# Altium PCB EMDO601_Patch.PcbDoc (part 3 of 3)
Units mm, origin at the board's own origin, x right, y up, seen from the top; angles counter-clockwise.
Board outline 80 x 180 mm, 4 copper layers (Top Layer, Mid-Layer 1, Mid-Layer 2, Bottom Layer), stack 1.426 mm thick; 219 components, 105 nets, 717 pads, 2037 vias.
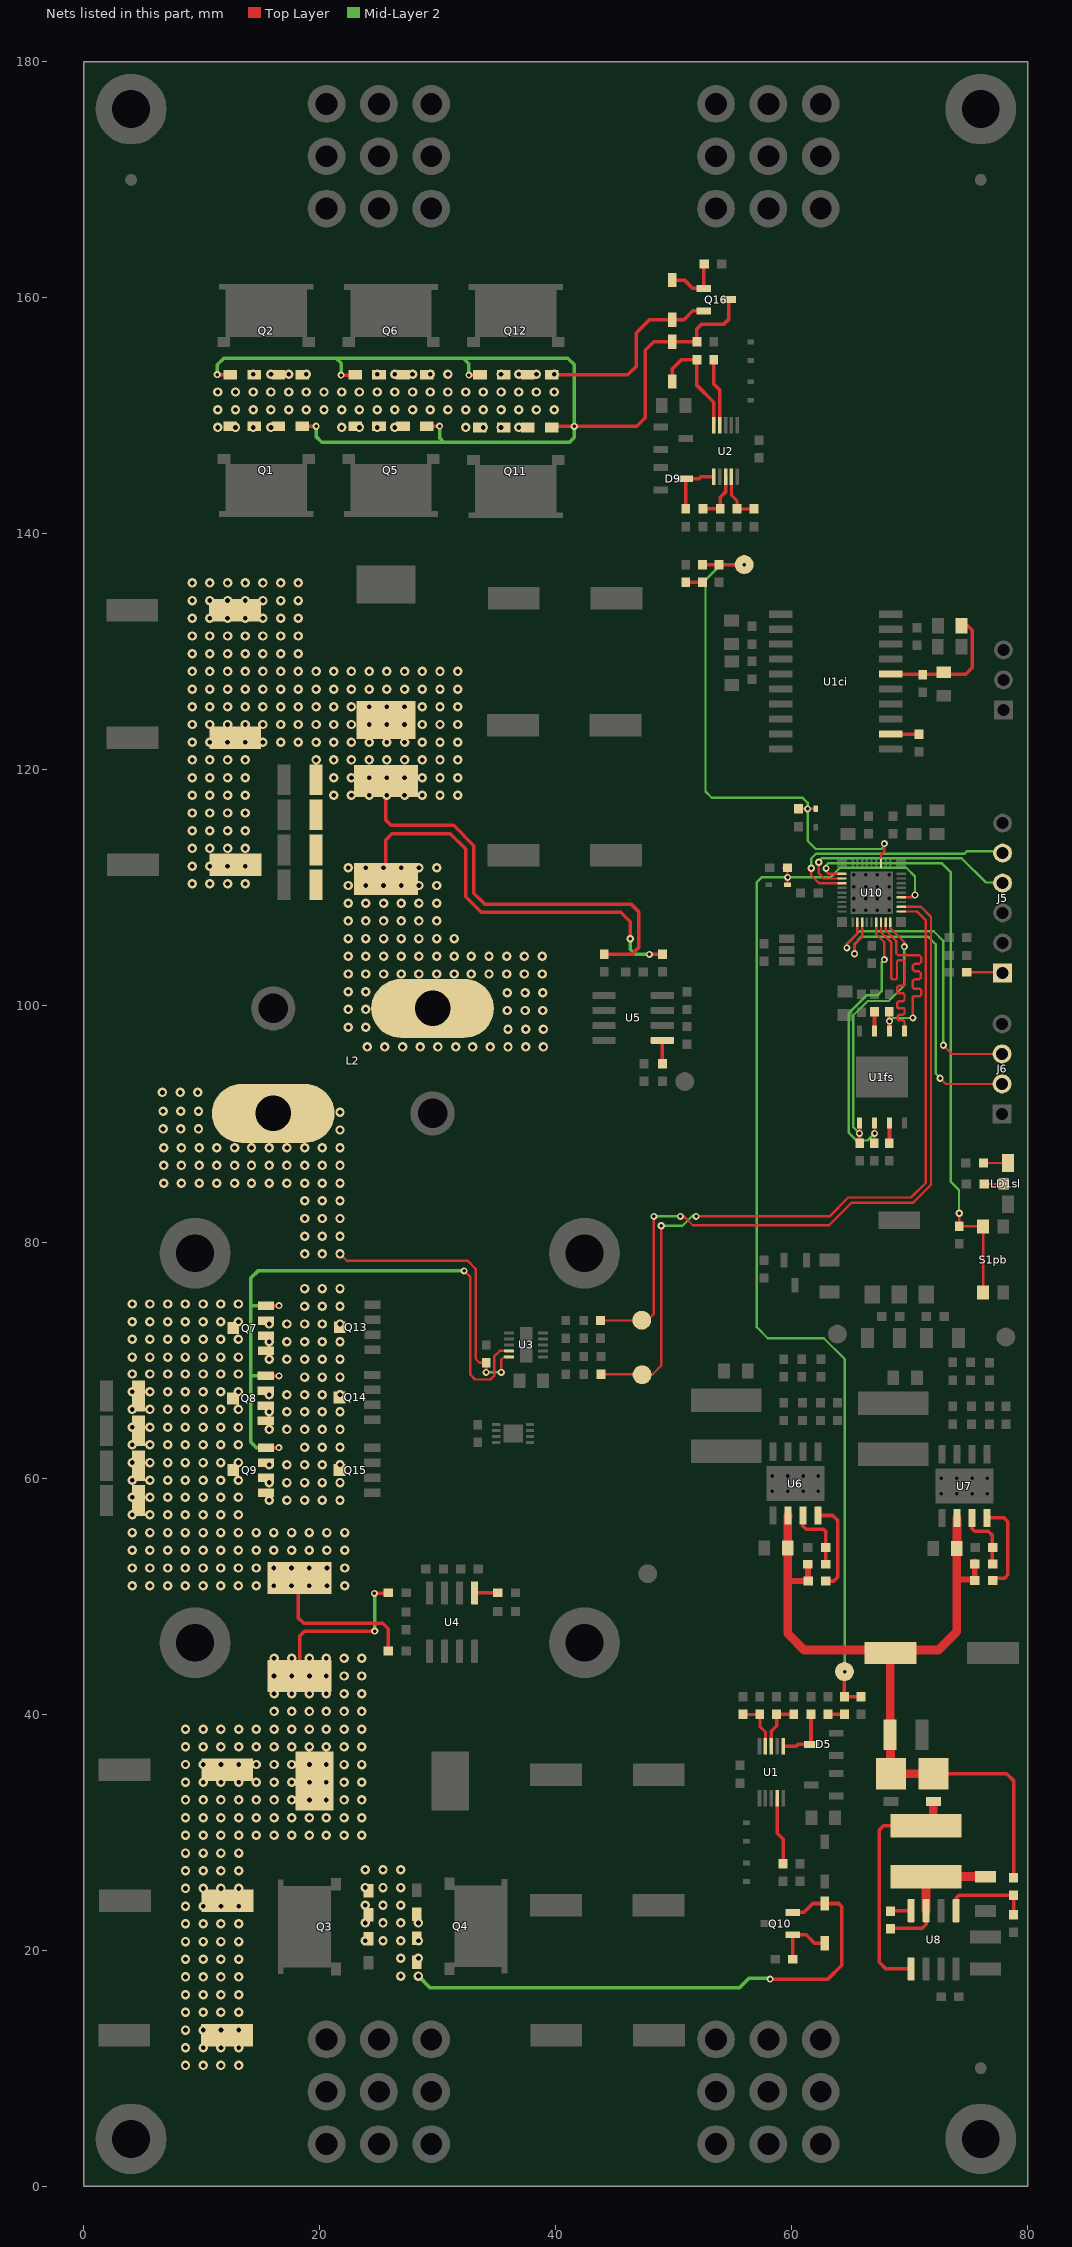
[diagram p5: the nets of this part, all layers, seen from the top]

## Via types
v1: diameter 0.8, hole 0.4, Top Layer to Bottom Layer, tented both sides, 1858 vias
v2: diameter 0.6, hole 0.3, Top Layer to Bottom Layer, tented both sides, 179 vias

## Nets (pads, with @x,y where several pads share a name; then routed paths per layer and width w, separated by ;. In a path a pad name is that pad's centre, name@x,y a point inside that pad or via, vN(x,y) a via of type N, cw(c..) or ccw(c..) an arc to the next point about the centre after c; other vN are vias at no path point) (continued)
NetD4_A: D4.A Q3.S Q4.S Q10.2 | length 46.6
  Top Layer w0.3: v2(58.15,17.55) 63.05,17.55 64.225,18.725 64.225,23.675 63.95,23.95 D4.A@62.775,23.95 61.775,23.95 61.025,23.2 Q10.2@60.085,23.2
  Mid-Layer 2 w0.3: v1(28.35,17.8) 29.325,16.825 55.55,16.825 56.325,17.6 58.1,17.6 v2(58.15,17.55)
  other v1: 26.85,17.8 26.85,19.3 28.35,19.3 23.85,20.8 25.35,20.8 26.85,20.8 28.35,20.8 23.85,22.3 25.35,22.3 26.85,22.3 28.35,22.3 23.85,23.8 25.35,23.8 26.85,23.8 23.85,25.3 25.35,25.3 26.85,25.3 23.85,26.8 25.35,26.8 26.85,26.8
NetD4_C: D4.C Q10.1 R13.2 | length 5.1
  Top Layer w0.3: R13.2@60.075,19.225 60.085,19.235 Q10.1@60.085,21.3 61.2,21.3 61.91,20.59 D4.C@62.775,20.59
NetD5_3: D5.3 R2.1 U1.1 | length 5
  Top Layer w0.3: U1.1@59.25,37.275 60.35,37.275 60.5,37.425 D5.3@61.615,37.425 61.615,39.965 R2.1@61.625,39.975
NetD8_A: D8.A Q1.G Q2.G Q5.G Q6.G Q11.G Q12.G Q16.3 R12.1 | length 95.5
  Top Layer w0.3: v2(11.3,153.5) Q2.G@12.41,153.5 ; Q1.G@18.505,149.125 v2(19.675,149.125) ; v2(21.8,153.45) 22.95,153.45 Q6.G@22.98,153.48 ; Q5.G@29.07,149.12 29.082,149.132 v2(30.151,149.132) ; v2(32.625,153.45) 33.54,153.45 Q12.G@33.565,153.475 ; Q11.G@39.645,149.12 v2(41.55,149.12) 46.845,149.12 47.575,149.85 47.575,155.575 48.28,156.28 D8.A@49.85,156.28 49.855,156.275 R12.1@51.95,156.275 51.95,157.375 52.325,157.75 54.2,157.75 54.66,158.21 Q16.3@54.66,159.85
  Mid-Layer 2 w0.3: v2(11.3,153.5) 11.3,154.325 11.875,154.9 21.35,154.9 ; v2(19.675,149.125) 19.675,148.25 20.15,147.775 30.5,147.775 ; v2(21.8,153.45) 21.8,154.45 21.35,154.9 ; v2(30.151,149.132) 30.151,148.124 30.5,147.775 ; v2(32.625,153.45) 32.625,154.425 32.15,154.9 ; 21.35,154.9 32.15,154.9 ; 30.5,147.775 41.15,147.775 41.55,148.175 v2(41.55,149.12) 41.55,154.35 41,154.9 32.15,154.9
NetD8_C: D8.C R12.2 U2.10 | length 9.6
  Top Layer w0.3: D8.C@49.85,152.92 49.85,153.975 50.65,154.775 R12.2@51.95,154.775 51.95,152.575 53.375,151.15 U2.10@53.375,149.225
NetD9_3: D9.3 R8.1 U2.1 | length 5
  Top Layer w0.3: R8.1@51,142.125 51.01,142.135 D9.3@51.01,144.675 52.125,144.675 52.275,144.825 U2.1@53.375,144.825
NetD11_A: D11.A Q1.S Q2.S Q5.S Q6.S Q11.S Q12.S Q16.2 | length 16.9
  Top Layer w0.3: Q12.S@39.655,153.475 46.1,153.475 46.825,154.2 46.825,157.05 47.925,158.15 D11.A@49.85,158.15 50.85,158.15 51.6,158.9 Q16.2@52.54,158.9
  Mid-Layer 2 w0.3: v1@40.05,153.425 v1@40.125,153.5
  other v1: 11.35,149.025 12.85,149.025 14.35,149.025 15.85,149.025 21.85,149.025 23.35,149.025 24.85,149.025 26.35,149.025 32.35,149.025 33.85,149.025 35.35,149.025 36.85,149.025 11.35,150.525 12.85,150.525 14.35,150.525 15.85,150.525 17.35,150.525 18.85,150.525 20.35,150.525 21.85,150.525 23.35,150.525 24.85,150.525 26.35,150.525 27.85,150.525 29.35,150.525 30.85,150.525 32.35,150.525 33.85,150.525 35.35,150.525 36.85,150.525 38.35,150.525 39.85,150.525 11.35,152.025 12.85,152.025 14.35,152.025 15.85,152.025 17.35,152.025 18.85,152.025 20.35,152.025 21.85,152.025 23.35,152.025 24.85,152.025 26.35,152.025 27.85,152.025 29.35,152.025 30.85,152.025 32.35,152.025 33.85,152.025 35.35,152.025 36.85,152.025 38.35,152.025 39.85,152.025 14.35,153.525 15.85,153.525 17.35,153.525 18.85,153.525 24.85,153.525 26.35,153.525 27.85,153.525 29.35,153.525 30.85,153.525 35.35,153.525 36.85,153.525 38.35,153.525 39.85,153.525
NetD11_C: D11.C Q16.1 R18.2 | length 5.1
  Top Layer w0.3: D11.C@49.85,161.51 50.89,161.51 51.6,160.8 Q16.1@52.54,160.8 52.54,162.865 R18.2@52.55,162.875
NetD14_A: D14.A L4.2 U8.1 | length 20.6
  Top Layer w0.3: U8.1@70.095,18.405 67.97,18.405 67.4,18.975 67.4,30.175 67.759,30.534 L4.2@71.35,30.534
  Top Layer w0.75: L4.2@71.35,30.534 71.975,31.159 D14.A@71.975,32.597
NetJ5_1: J5.1 R52.1 | length 2.8
  Top Layer w0.2: R52.1@74.818,102.858 J5.1@77.645,102.858
NetL4_1: L4.1 R39.2 R40.1 U8.7 | length 12.2
  Top Layer w0.3: R40.1@68.35,21.85 71.025,21.85 71.365,22.19 U8.7@71.365,23.345
  Top Layer w0.75: U8.7@71.365,23.345 71.365,26.201 71.394,26.23 R39.2@76.4,26.23
NetLD1sl_2: LD1sl.2 R1sl.2 | length 1.7
  Top Layer w0.2: R1sl.2@76.279,84.916 77.929,84.916 LD1sl.2@77.95,84.937
NetLD1sl_3: LD1sl.3 R2sl.2 | length 2.1
  Top Layer w0.2: R2sl.2@76.229,86.691 78.296,86.691 LD1sl.3@78.3,86.687
NetR1ci_2: R1ci.2 U1ci.12 | length 2.4
  Top Layer w0.3: U1ci.12@68.363,123.035 70.758,123.035 R1ci.2@70.763,123.03
NetR2fs_1: R2fs.1 U1fs.3 | length 1.7
  Top Layer w0.3: R2fs.1@68.25,88.383 68.265,88.398 U1fs.3@68.265,90.083
NetR3_1: R3.1 R14.2 U1.3 | length 4.3
  Top Layer w0.3: U1.3@58.25,37.275 58.25,38.55 58.7,39 R14.2@58.7,39.975 R3.1@60.15,39.975
NetR3fs_1: R3fs.1 U1fs.7 | length 1.6
  Top Layer w0.3: U1fs.7@66.995,97.883 66.995,99.502 R3fs.1@67,99.507
NetR4_1: R4.1 R15.2 U1.4 | length 4.3
  Top Layer w0.254: R15.2@55.85,39.975 R4.1@57.275,39.975 57.275,38.95 57.75,38.475 U1.4@57.75,37.275
NetR5_1: R5.1 U1.9 | length 5.8
  Top Layer w0.3: U1.9@58.75,32.875 58.75,29.9 59.25,29.4 R5.1@59.25,27.325
NetR9_1: R9.1 R16.2 U2.4 | length 4.3
  Top Layer w0.254: U2.4@54.875,144.825 54.875,143.275 55.35,142.8 R9.1@55.35,142.125 R16.2@56.775,142.125
NetR10_1: R10.1 R17.2 U2.3 | length 4.3
  Top Layer w0.3: R10.1@52.475,142.125 R17.2@53.925,142.125 53.925,143.1 54.375,143.55 U2.3@54.375,144.825
NetR11_1: R11.1 U2.9 | length 5.8
  Top Layer w0.3: R11.1@53.375,154.775 53.375,152.7 53.875,152.2 U2.9@53.875,149.225
NetR23_2: R23.2 R25.2 | length 1.4
  Top Layer w0.3: R23.2@63.025,39.975 R25.2@64.45,39.975
NetR24_2: R24.2 R26.2 | length 1.4
  Top Layer w0.3: R24.2@51.006,135.9 R26.2@52.406,135.9
NetR29_1: R29.1 U4.5 | length 2
  Top Layer w0.3: U4.5@33.105,50.27 33.11,50.275 R29.1@35.075,50.275
NetR30_1: R30.1 U5.5 | length 2
  Top Layer w0.3: U5.5@49.02,97.08 49.025,97.075 R30.1@49.025,95.11
NetR35_2: R35.2 R41.1 U6.3 | length 5.8
  Top Layer w0.3: U6.3@60.925,56.825 60.925,55.925 61.2,55.65 62.675,55.65 62.85,55.475 R41.1@62.85,54.125 R35.2@62.85,52.7
NetR36_2: R36.2 U6.4 | length 7.8
  Top Layer w0.3: U6.4@62.195,56.825 63.45,56.825 63.9,56.375 63.9,51.625 63.55,51.275 R36.2@62.875,51.275
NetR37_2: R37.2 R42.1 U7.3 | length 5.1
  Top Layer w0.3: U7.3@75.245,56.62 75.245,55.73 75.48,55.495 76.63,55.495 76.99,55.135 R37.2@76.99,52.914
NetR38_2: R38.2 U7.4 | length 7.8
  Top Layer w0.3: U7.4@76.515,56.62 77.98,56.62 78.3,56.3 78.3,51.8 78.02,51.52 R38.2@76.99,51.52
NetR40_2: R40.2 U8.8 | length 1.7
  Top Layer w0.3: R40.2@68.35,23.35 70.09,23.35 U8.8@70.095,23.345
NetR43_1: R43.1 R48.2 U8.5 | length 7.7
  Top Layer w0.3: U8.5@73.905,23.345 73.905,24.405 74.15,24.65 R43.1@78.775,24.65 ; R48.2@78.775,23 R43.1@78.775,24.65
PGC_RX_SCL: J5.5 U10.21 | length 20.5
  Top Layer w0.2: v2(61.637,111.674) 61.637,111.07 62.3,110.408 U10.21@64.243,110.408
  Mid-Layer 2 w0.2: v2(61.637,111.674) 61.637,112.485 62.06,112.908 74.625,112.908 74.817,113.1 J5.5@77.563,113.1
PGD_TX_SDA: J5.4 U10.20 | length 19.7
  Top Layer w0.2: v2(62.27,112.176) 62.27,111.26 62.722,110.808 U10.20@64.243,110.808
  Mid-Layer 2 w0.2: v2@62.316,112.006 62.27,112.052 v2(62.27,112.176) 62.228,112.218 62.518,112.508 74.392,112.508 76.437,110.463 J5.4@77.66,110.463
PWMH: PWMH.1 R19.1 U10.1 | length 65.9
  Top Layer w0.2: R19.1@43.81,68.8 48.2,68.8 48.925,69.525 v2(48.925,81.375) ; v2(51.875,82.175) 63.175,82.175 64.775,83.775 70.1,83.775 71.35,85.025 71.35,107.25 70.597,108.003 69.248,108.003 U10.1@69.243,108.008
  Mid-Layer 2 w0.2: v2(48.925,81.375) 50.725,81.375 51.575,82.225 51.625,82.175 v2(51.875,82.175)
PWML: PWML.1 R21.1 U10.2 | length 63.8
  Top Layer w0.2: R21.1@43.785,73.35 47.725,73.35 48.3,73.925 v2(48.3,82.175) ; v2(50.55,82.175) 50.85,82.175 51.6,81.425 63.15,81.425 65.065,83.34 70.28,83.34 71.785,84.845 71.785,107.553 70.931,108.407 70.844,108.407 70.839,108.403 70.011,108.403 70.006,108.408 U10.2@69.243,108.408
  Mid-Layer 2 w0.2: v2(48.3,82.175) v2(50.55,82.175)
SNS1N: C1.1 C2.1 C3.1 C4.1 Q7.D Q8.D Q9.D R1.2 R31.1 | length 13.1
  Top Layer w0.3: R1.2@18.15,51.4 18.15,48.175 18.625,47.7 25.325,47.7 25.8,47.225 R31.1@25.8,45.35
  other v1: 4.1,50.879 5.6,50.879 7.1,50.879 8.6,50.879 10.1,50.879 11.6,50.879 13.1,50.879 14.6,50.879 16.1,50.879 17.6,50.879 19.1,50.879 20.6,50.879 22.1,50.879 4.1,52.379 5.6,52.379 7.1,52.379 8.6,52.379 10.1,52.379 11.6,52.379 13.1,52.379 14.6,52.379 16.1,52.379 17.6,52.379 19.1,52.379 20.6,52.379 22.1,52.379 4.1,53.879 5.6,53.879 7.1,53.879 8.6,53.879 10.1,53.879 11.6,53.879 13.1,53.879 14.6,53.879 16.1,53.879 17.6,53.879 19.1,53.879 20.6,53.879 22.1,53.879 4.1,55.379 5.6,55.379 7.1,55.379 8.6,55.379 10.1,55.379 11.6,55.379 13.1,55.379 14.6,55.379 16.1,55.379 17.6,55.379 19.1,55.379 20.6,55.379 22.1,55.379 4.1,56.879 5.6,56.879 7.1,56.879 8.6,56.879 10.1,56.879 11.6,56.879 13.1,56.879 4.1,58.379 5.6,58.379 7.1,58.379 8.6,58.379 10.1,58.379 11.6,58.379 13.1,58.379 4.1,59.815 5.6,59.815 7.1,59.815 8.6,59.815 10.1,59.815 11.6,59.815 13.1,59.815 4.1,61.315 5.6,61.315 7.1,61.315 8.6,61.315 10.1,61.315 11.6,61.315 13.1,61.315 4.1,62.815 5.6,62.815 7.1,62.815 8.6,62.815 10.1,62.815 11.6,62.815 13.1,62.815 4.1,64.315 5.6,64.315 7.1,64.315 8.6,64.315 10.1,64.315 11.6,64.315 13.1,64.315 4.1,65.815 5.6,65.815 7.1,65.815 8.6,65.815 10.1,65.815 11.6,65.815 13.1,65.815 4.1,67.315 5.6,67.315 7.1,67.315 8.6,67.315 10.1,67.315 11.6,67.315 13.1,67.315 4.1,68.815 5.6,68.815 7.1,68.815 8.6,68.815 10.1,68.815 11.6,68.815 13.1,68.815 4.1,70.25 5.6,70.25 7.1,70.25 8.6,70.25 10.1,70.25 11.6,70.25 13.1,70.25 4.1,71.75 5.6,71.75 7.1,71.75 8.6,71.75 10.1,71.75 11.6,71.75 13.1,71.75 4.1,73.25 5.6,73.25 7.1,73.25 8.6,73.25 10.1,73.25 11.6,73.25 13.1,73.25 4.1,74.75 5.6,74.75 7.1,74.75 8.6,74.75 10.1,74.75 11.6,74.75 13.1,74.75
SNS1P: C10.1 C11.1 C12.1 L1.2 R1.1 R27.1 | length 14.2
  Top Layer w0.3: R1.1@18.275,43.225 18.275,46.6 18.7,47.025 v2@24.55,47.025 ; v2(24.625,50.225) 25.75,50.225 R27.1@25.8,50.275
  Mid-Layer 2 w0.3: v2(24.625,50.225) 24.65,50.2 v2(24.65,47.025)
  other v1: 8.615,10.225 10.115,10.225 11.615,10.225 13.115,10.225 8.615,11.725 10.115,11.725 11.615,11.725 13.115,11.725 8.615,13.225 10.115,13.225 11.615,13.225 13.115,13.225 8.615,14.725 10.115,14.725 11.615,14.725 13.115,14.725 8.615,16.225 10.115,16.225 11.615,16.225 13.115,16.225 8.615,17.725 10.115,17.725 11.615,17.725 13.115,17.725 8.615,19.225 10.115,19.225 11.615,19.225 13.115,19.225 8.615,20.725 10.115,20.725 11.615,20.725 13.115,20.725 8.615,22.225 10.115,22.225 11.615,22.225 13.115,22.225 8.615,23.725 10.115,23.725 11.615,23.725 13.115,23.725 8.615,25.225 10.115,25.225 11.615,25.225 13.115,25.225 8.615,26.725 10.115,26.725 11.615,26.725 13.115,26.725 8.615,28.225 10.115,28.225 11.615,28.225 13.115,28.225 8.615,29.725 10.115,29.725 11.615,29.725 13.115,29.725 14.615,29.725 16.115,29.725 17.615,29.725 19.115,29.725 20.55,29.725 22.05,29.725 23.55,29.725 8.615,31.225 10.115,31.225 11.615,31.225 13.115,31.225 14.615,31.225 16.115,31.225 17.615,31.225 19.115,31.225 20.55,31.225 22.05,31.225 23.55,31.225 8.615,32.725 10.115,32.725 11.615,32.725 13.115,32.725 14.615,32.725 16.115,32.725 17.615,32.725 19.115,32.725 20.55,32.725 22.05,32.725 23.55,32.725 8.615,34.225 10.115,34.225 11.615,34.225 13.115,34.225 14.615,34.225 16.115,34.225 17.615,34.225 19.115,34.225 20.55,34.225 22.05,34.225 23.55,34.225 8.615,35.725 10.115,35.725 11.615,35.725 13.115,35.725 14.615,35.725 16.115,35.725 17.615,35.725 19.115,35.725 20.55,35.725 22.05,35.725 23.55,35.725 8.615,37.225 10.115,37.225 11.615,37.225 13.115,37.225 14.615,37.225 16.115,37.225 17.615,37.225 19.115,37.225 20.55,37.225 22.05,37.225 23.55,37.225 8.615,38.725 10.115,38.725 11.615,38.725 13.115,38.725 14.615,38.725 16.115,38.725 17.615,38.725 19.115,38.725 20.55,38.725 22.05,38.725 23.55,38.725 16.115,40.225 17.615,40.225 19.115,40.225 20.55,40.225 22.05,40.225 23.55,40.225 16.115,41.725 17.615,41.725 19.115,41.725 20.55,41.725 22.05,41.725 23.55,41.725 16.115,43.225 17.615,43.225 19.115,43.225 20.55,43.225 22.05,43.225 23.55,43.225 16.115,44.725 17.615,44.725 19.115,44.725 20.55,44.725 22.05,44.725 23.55,44.725
SNS2N: C5.1 C6.1 C13.1 C14.1 C18.1 C19.1 C20.1 L3.1 R6.2 R32.1 | length 36.5
  Top Layer w0.3: R6.2@25.6,119.075 25.6,115.725 26.025,115.3 31.336,115.3 33.05,113.586 33.05,109.55 33.963,108.637 46.363,108.637 47,108 47,104.925 46.46,104.385 R32.1@44.1,104.385
  other v1: 9.175,110.35 10.675,110.35 12.175,110.35 13.675,110.35 9.175,111.85 10.675,111.85 12.175,111.85 13.675,111.85 9.175,113.35 10.675,113.35 12.175,113.35 13.675,113.35 9.175,114.85 10.675,114.85 12.175,114.85 13.675,114.85 9.175,116.35 10.675,116.35 12.175,116.35 13.675,116.35 9.175,117.85 10.675,117.85 12.175,117.85 13.675,117.85 21.175,117.85 22.675,117.85 24.175,117.85 25.675,117.85 27.175,117.85 28.675,117.85 30.175,117.85 31.675,117.85 9.175,119.35 10.675,119.35 12.175,119.35 13.675,119.35 21.175,119.35 22.675,119.35 24.175,119.35 25.675,119.35 27.175,119.35 28.675,119.35 30.175,119.35 31.675,119.35 9.175,120.85 10.675,120.85 12.175,120.85 13.675,120.85 19.675,120.85 21.175,120.85 22.675,120.85 24.175,120.85 25.675,120.85 27.175,120.85 28.675,120.85 30.175,120.85 31.675,120.85 9.175,122.35 10.675,122.35 12.175,122.35 13.675,122.35 15.175,122.35 16.675,122.35 18.175,122.35 19.675,122.35 21.175,122.35 22.675,122.35 24.175,122.35 25.675,122.35 27.175,122.35 28.675,122.35 30.175,122.35 31.675,122.35 9.175,123.85 10.675,123.85 12.175,123.85 13.675,123.85 15.175,123.85 16.675,123.85 18.175,123.85 19.675,123.85 21.175,123.85 22.675,123.85 24.175,123.85 25.675,123.85 27.175,123.85 28.675,123.85 30.175,123.85 31.675,123.85 9.175,125.35 10.675,125.35 12.175,125.35 13.675,125.35 15.175,125.35 16.675,125.35 18.175,125.35 19.675,125.35 21.175,125.35 22.675,125.35 24.175,125.35 25.675,125.35 27.175,125.35 28.675,125.35 30.175,125.35 31.675,125.35 9.175,126.85 10.675,126.85 12.175,126.85 13.675,126.85 15.175,126.85 16.675,126.85 18.175,126.85 19.675,126.85 21.175,126.85 22.675,126.85 24.175,126.85 25.675,126.85 27.175,126.85 28.675,126.85 30.175,126.85 31.675,126.85 9.175,128.35 10.675,128.35 12.175,128.35 13.675,128.35 15.175,128.35 16.675,128.35 18.175,128.35 19.675,128.35 21.175,128.35 22.675,128.35 24.175,128.35 25.675,128.35 27.175,128.35 28.675,128.35 30.175,128.35 31.675,128.35 9.175,129.85 10.675,129.85 12.175,129.85 13.675,129.85 15.175,129.85 16.675,129.85 18.175,129.85 9.175,131.35 10.675,131.35 12.175,131.35 13.675,131.35 15.175,131.35 16.675,131.35 18.175,131.35 9.175,132.85 10.675,132.85 12.175,132.85 13.675,132.85 15.175,132.85 16.675,132.85 18.175,132.85 9.175,134.35 10.675,134.35 12.175,134.35 13.675,134.35 15.175,134.35 16.675,134.35 18.175,134.35 9.175,135.85 10.675,135.85 12.175,135.85 13.675,135.85 15.175,135.85 16.675,135.85 18.175,135.85
SNS2P: L2.2 R6.1 R28.1 | length 34.9
  Top Layer w0.3: R6.1@25.6,110.775 25.6,114.1 26.1,114.6 31.046,114.6 32.35,113.296 32.35,109.26 33.673,107.937 45.488,107.937 46.3,107.125 v2(46.3,105.7) ; v2(47.925,104.375) 49.015,104.375 R28.1@49.025,104.385
  Mid-Layer 2 w0.3: v2(46.3,105.7) 46.3,104.8 46.725,104.375 v2(47.925,104.375)
  other v1: 24.005,96.527 25.505,96.527 27.005,96.527 28.505,96.527 30.005,96.527 31.505,96.527 32.94,96.527 34.44,96.527 35.94,96.527 37.44,96.527 38.94,96.527 35.94,98.027 37.44,98.027 38.94,98.027 22.395,98.209 23.895,98.209 35.885,99.618 37.385,99.618 38.885,99.618 22.395,99.709 23.895,99.709 35.885,101.118 37.385,101.118 38.885,101.118 22.395,101.209 23.895,101.209 22.395,102.709 23.895,102.709 25.395,102.709 26.895,102.709 28.395,102.709 29.895,102.709 31.395,102.709 32.83,102.709 34.33,102.709 35.83,102.709 37.33,102.709 38.83,102.709 22.395,104.209 23.895,104.209 25.395,104.209 26.895,104.209 28.395,104.209 29.895,104.209 31.395,104.209 32.83,104.209 34.33,104.209 35.83,104.209 37.33,104.209 38.83,104.209 22.395,105.709 23.895,105.709 25.395,105.709 26.895,105.709 28.395,105.709 29.895,105.709 31.395,105.709 22.395,107.209 23.895,107.209 25.395,107.209 26.895,107.209 28.395,107.209 29.895,107.209 22.395,108.709 23.895,108.709 25.395,108.709 26.895,108.709 28.395,108.709 29.895,108.709 22.395,110.209 23.895,110.209 25.395,110.209 26.895,110.209 28.395,110.209 29.895,110.209 22.395,111.709 23.895,111.709 25.395,111.709 26.895,111.709 28.395,111.709 29.895,111.709
SSD_CLK: R4fs.2 U1fs.6 U10.35 | length 16.8
  Top Layer w0.2: U10.35@67.943,107.108 67.943,106.416 68.825,105.534 68.825,104.475 69,104.3 70.775,104.3 70.95,104.125 70.95,103.75 70.775,103.575 70.4,103.575 70.25,103.425 70.25,103.1 70.4,102.95 70.75,102.95 70.925,102.775 70.925,102.425 70.775,102.275 70.4,102.275 70.25,102.125 70.25,101.575 70.375,101.45 70.85,101.45 70.95,101.35 70.95,100.95 70.825,100.825 70.325,100.825 70.25,100.75 v2(70.25,98.988)
  Top Layer w0.3: R4fs.2@68.25,99.507 68.265,99.493 v2(68.265,98.713) U1fs.6@68.265,97.883
  Mid-Layer 2 w0.2: v2(68.265,98.713) 68.54,98.988 v2(70.25,98.988)
SSD_CS_N: R1fs.1 U1fs.1 U10.36 | length 23.2
  Top Layer w0.2: U10.36@68.343,107.108 68.343,106.582 69.525,105.4 v2(69.525,105.025)
  Top Layer w0.3: U1fs.1@65.725,90.083 v2(65.725,89.208) 65.725,88.408 R1fs.1@65.75,88.383
  Mid-Layer 2 w0.2: v2(65.725,89.208) 65.2,89.732 65.2,99.209 66.416,100.425 68.2,100.425 69.525,101.75 v2(69.525,105.025)
SSD_MISO: R5fs.2 U1fs.2 U10.33 | length 24.3
  Top Layer w0.2: R5fs.2@66.975,88.383 66.975,89.182 v2(67,89.208) 67,90.078 U1fs.2@66.995,90.083 ; U10.33@67.143,107.108 67.143,106.085 67.825,105.403 v2(67.825,103.925)
  Mid-Layer 2 w0.2: v2(67,89.208) 66.4,88.608 65.476,88.608 64.8,89.284 64.8,99.375 66.325,100.9 67.242,100.9 67.6,101.258 67.6,103.7 v2(67.825,103.925) v2@67.82,103.925
SSD_MOSI: U1fs.5 U10.34 | length 16.6
  Top Layer w0.2: U10.34@67.543,107.108 67.543,106.251 68.425,105.368 68.425,102.35 68.525,102.25 68.8,102.25 68.9,102.35 68.9,103.775 69,103.875 69.45,103.875 69.535,103.79 69.535,101.81 69.425,101.7 69.025,101.7 68.925,101.6 68.925,101.15 69,101.075 69.435,101.075 69.535,100.975 69.535,100.51 69.425,100.4 69.025,100.4 68.925,100.3 68.925,99.875 69,99.8 69.485,99.8 69.535,99.75 69.535,99.375 69.41,99.25 69.075,99.25 68.975,99.15 68.975,98.875 69.05,98.8 69.435,98.8 69.535,98.7 U1fs.5@69.535,97.883
SW: C27.1 L2.1 Q7.S Q8.S Q9.S Q13.D Q14.D Q15.D U3.5 | length 24.6
  Top Layer w0.2: v1(21.705,78.991) 22.271,78.425 32.5,78.425 33.2,77.725 33.2,70.1 33.525,69.775 C27.1@34.091,69.775 v2(34.091,68.95) ; v2(35.366,68.95) 35.366,70.025 35.616,70.275 U3.5@36.04,70.275
  Mid-Layer 2 w0.2: v2(34.091,68.95) v2(35.366,68.95)
  other v1: 15.705,58.12 17.205,58.12 18.705,58.12 20.205,58.12 21.705,58.12 15.705,59.62 17.205,59.62 18.705,59.62 20.205,59.62 21.705,59.62 15.705,61.12 17.205,61.12 18.705,61.12 20.205,61.12 21.705,61.12 18.705,62.62 20.205,62.62 21.705,62.62 15.705,64.12 17.205,64.12 18.705,64.12 20.205,64.12 21.705,64.12 15.705,65.62 17.205,65.62 18.705,65.62 20.205,65.62 21.705,65.62 15.705,67.055 17.205,67.055 18.705,67.055 20.205,67.055 21.705,67.055 18.705,68.555 20.205,68.555 21.705,68.555 15.705,70.055 17.205,70.055 18.705,70.055 20.205,70.055 21.705,70.055 15.705,71.555 17.205,71.555 18.705,71.555 20.205,71.555 21.705,71.555 15.705,73.055 17.205,73.055 18.705,73.055 20.205,73.055 21.705,73.055 18.705,74.555 20.205,74.555 21.705,74.555 18.705,76.055 20.205,76.055 21.705,76.055 18.705,78.991 20.205,78.991 18.705,80.491 20.205,80.491 21.705,80.491 18.705,81.991 20.205,81.991 21.705,81.991 18.705,83.491 20.205,83.491 21.705,83.491 6.77,84.991 8.27,84.991 9.77,84.991 11.27,84.991 12.77,84.991 14.205,84.991 15.705,84.991 17.205,84.991 18.705,84.991 20.205,84.991 21.705,84.991 6.77,86.491 8.27,86.491 9.77,86.491 11.27,86.491 12.77,86.491 14.205,86.491 15.705,86.491 17.205,86.491 18.705,86.491 20.205,86.491 21.705,86.491 6.77,87.991 8.27,87.991 9.77,87.991 11.27,87.991 12.77,87.991 14.205,87.991 15.705,87.991 17.205,87.991 18.705,87.991 20.205,87.991 21.705,87.991 21.705,89.491 6.715,89.582 8.215,89.582 9.715,89.582 21.705,90.991 6.715,91.082 8.215,91.082 9.715,91.082 6.66,92.673 8.16,92.673 9.66,92.673
SWITCH_D: R1pb.1 S1pb.1 S1pb.3 U10.19 | length 50.8
  Top Layer w0.2: v2(62.887,111.659) 62.887,111.408 63.087,111.208 U10.19@64.243,111.208 ; R1pb.1@74.175,81.337 R1pb.1@74.175,81.341 ; v2(74.175,82.437) R1pb.1@74.175,81.341 ; S1pb.3@76.2,75.712 S1pb.1@76.2,81.312 76.171,81.341 R1pb.1@74.175,81.341
  Mid-Layer 2 w0.2: v2(62.887,111.659) 62.887,111.897 63.098,112.108 72.667,112.108 73.469,111.306 73.469,85.086 74.15,84.405 74.15,82.462 v2(74.175,82.437)
TG: Q7.G Q8.G Q9.G U3.4 | length 57.4
  Top Layer w0.2: v2(32.225,77.55) 32.75,77.025 32.75,68.75 33.15,68.35 34.45,68.35 34.766,68.666 34.766,70.3 35.241,70.775 U3.4@36.04,70.775
  Top Layer w0.3: Q8.G@15.418,68.656 v2(16.536,68.656) ; Q9.G@15.425,62.575 v2(16.525,62.575) ; Q7.G@15.426,74.608 v2(16.533,74.608)
  Top Layer w0.5: Q8.G@15.413,68.661 Q8.G@15.418,68.656 ; Q7.G@15.423,74.611 Q7.G@15.426,74.608
  Mid-Layer 2 w0.3: v2@16.536,62.586 v2(16.525,62.575) 14.625,62.575 14.15,63.05 14.15,68.656 ; v2(16.536,68.656) 14.15,68.656 ; v2@16.536,74.605 v2(16.533,74.608) 14.167,74.608 14.15,74.625 ; v2(32.225,77.55) 14.75,77.55 14.15,76.95 14.15,74.625 ; 14.15,68.656 14.15,74.625
UART_RX: J6.2 U10.30 | length 28.2
  Top Layer w0.2: v2(65.3,104.428) 65.3,105.206 65.943,105.848 U10.30@65.943,107.108 ; v2(72.55,93.875) 73.03,93.395 J6.2@77.8,93.395
  Mid-Layer 2 w0.2: v2(65.3,104.428) 65.3,105.275 65.9,105.875 71.525,105.875 72.175,105.225 72.175,94.3 72.6,93.875 v2(72.55,93.875)
UART_TX: J6.3 U10.29 | length 25.9
  Top Layer w0.2: v2(64.653,104.928) 64.653,105.255 65.543,106.145 U10.29@65.543,107.108 ; v2(72.825,96.675) 73.565,95.935 J6.3@77.8,95.935
  Mid-Layer 2 w0.2: v2(64.653,104.928) 64.653,105.255 65.722,106.325 72.018,106.325 72.825,105.518 v2(72.825,96.675)
VCAN: C6ci.2 C7ci.2 FB2ci.1 U1ci.16 | length 11.3
  Top Layer w0.3: U1ci.16@68.363,128.115 74.715,128.115 75.275,128.675 75.275,131.85 74.895,132.23 FB2ci.1@74.422,132.23
Vpsu: C37.2 C38.2 C44.2 C45.1 D13.C D14.C R35.1 R36.1 R37.1 R38.1 R43.2 U6.2 U7.2 | length 71.4
  Top Layer w0.3: D14.C@72,34.948 78.202,34.948 78.775,34.375 R43.2@78.775,26.15
  Top Layer w0.5: 59.65,51.275 R36.1@61.375,51.275 R35.1@61.375,52.675 ; 73.965,51.525 74.09,51.4 75.49,51.4 R37.1@75.49,52.914
  Top Layer w0.75: U6.2@59.655,56.825 59.65,56.82 C37.2@59.65,54.075 59.65,51.275 59.65,46.825 61.05,45.425 72.4,45.425 73.965,46.99 73.965,51.525 C38.2@73.965,54.02 ; R35.1@61.35,52.7 R35.1@61.375,52.675 ; C44.2@68.325,38.05 C44.2@68.325,38.25 C45.1@68.325,45.1 ; D13.C@68.35,35.251 68.35,39.05 C44.2@68.35,39.275 ; D13.C@68.375,34.951 68.377,34.948 D14.C@72,34.948 ; C38.2@73.965,54.345 C38.2@73.975,54.355 ; C38.2@73.975,54.03 C38.2@73.975,54.355 ; U7.2@73.975,56.62 C38.2@73.975,54.355
Vsns_12V: C63.2 D16.A R26.1 R34.1 U10.12 Vsns_12V.1 | length 47.9
  Top Layer w0.2: C63.2@60.552,116.702 61.743,116.702 ; 61.75,116.71 61.743,116.702 ; D16.A@62.018,116.702 61.743,116.702 ; U10.12@67.543,112.108 67.543,112.795 67.825,113.078 v2(67.825,113.765)
  Top Layer w0.3: R26.1@52.421,137.385 R26.1@52.406,137.4 R34.1@53.831,137.4 v2(55.95,137.4)
  Mid-Layer 2 w0.2: v2(55.95,137.4) 53.981,137.4 52.675,136.094 52.675,118.175 53.2,117.65 60.9,117.65 61.325,117.225 v2(61.325,116.7) 61.325,114 62.017,113.308 67.59,113.308 67.825,113.542 v2(67.825,113.765)
Vsns_48V: C62.2 D15.A R25.1 R33.1 U10.4 Vsns_48V.1 | length 95.4
  Top Layer w0.2: C62.2@59.27,111.71 C62.2@59.275,111.715 ; D15.A@59.62,110.262 C62.2@59.62,111.71 ; U10.4@69.243,109.208 70.23,109.208 v2(70.425,109.403)
  Top Layer w0.3: Vsns_48V.1@64.475,44.225 v2(64.475,43.6) 64.45,43.575 R25.1@64.45,41.475 R33.1@65.875,41.475
  Mid-Layer 2 w0.2: v2(64.475,43.6) 64.475,70.075 62.7,71.85 57.95,71.85 57.025,72.775 57.025,110.5 57.425,110.9 v2(59.625,110.9) 63.274,110.9 64.082,111.708 69.69,111.708 70.425,110.972 v2(70.425,109.403)
pads on no net: D5.2 D9.2 D10.2 D12.2 HS1.0 J5.6 L2.MH1 L2.MH2 M1.1 M2.1 M3.1 M4.1 M5.1 M6.1 U1.8 U1ci.6 U1ci.9 U1ci.17 U1tm.3 U2.8 U3.2 U4.4 U5.4 U10.0 U10.5 U10.8 U10.9

## Polygon pours and split planes (outlines as drawn)
GND on Bottom Layer "Top Layer-No Net" (solid, remove dead copper, pour order 8): 80,141.05 78.85,139.9 66.425,139.9 63.15,136.625 63.15,119.3 65.275,117.175 78.961,117.175 80,116.191 80,0 0,0 0,180 80,180
GND on Mid-Layer 1 "Top Layer-No Net" (solid, remove dead copper, pour order 6): 80,141.05 78.85,139.9 66.425,139.9 63.15,136.625 63.15,119.3 65.225,117.225 78.809,117.225 80,116.079 80,0 0,0 0,180 80,180
3V3 on Mid-Layer 1 "Bottom Layer-No Net" (solid, pour order 4): 57.725,117.175 78.969,117.175 79.85,116.294 79.85,81.1 78.275,79.525 64.225,79.525 61.425,82.325 61.425,98.225 56.8,102.85 56.8,116.25

## Keep-outs
Keep-Out Layer:
  the board outline again, w0.127

## Other copper
Top Layer:
  region net GND: 16.125,108.825 16.3,108.65 17.422,108.65 17.575,108.795 17.575,120.649 17.474,120.75 16.227,120.75 16.125,120.649
  region net GND: 0.875,55.125 0.675,55.325 0.675,69.7 0.85,69.875 2.345,69.875 2.537,69.682 2.537,55.287 2.375,55.125
  region net GND: 42.8,111.369 43.294,110.875 48.325,110.875 48.93,111.48 48.919,140.606 48.325,141.2 43.375,141.2 42.8,140.625
  region net GND: 1.125,108.119 1.619,107.625 6.65,107.625 7.255,108.23 7.244,137.356 6.65,137.95 1.7,137.95 1.125,137.375
  region net GND: 0.675,9.869 1.169,9.375 6.2,9.375 6.805,9.98 6.794,39.106 6.2,39.7 1.25,39.7 0.675,39.125
  region net GND: 23.7,63.65 23.95,63.4 26,63.4 26.325,63.075 26.325,62.25 25.95,61.875 23.825,61.875 23.7,61.75 23.7,57.65 24.05,57.3 30.825,57.3 31.375,57.85 31.375,65.325 31.375,75.95 31.125,76.2 26.45,76.2 26.253,76.003 26.253,74.178 26,73.925 23.875,73.925 23.75,73.8 23.75,69.625 23.919,69.456 26.028,69.456 26.353,69.131 26.353,68.181 26.153,67.981 23.856,67.981 23.7,67.825
  region net GND: 23.7,63.65 23.95,63.4 26,63.4 26.325,63.075 26.325,62.25 25.95,61.875 23.825,61.875 23.7,61.75 23.7,57.65 24.05,57.3 30.825,57.3 31.375,57.85 31.375,65.325 31.375,75.95 31.125,76.2 26.45,76.2 26.253,76.003 26.253,74.178 26,73.925 23.875,73.925 23.75,73.8 23.75,69.625 23.919,69.456 26.028,69.456 26.353,69.131 26.353,68.181 26.153,67.981 23.856,67.981 23.7,67.825
  region net SNS2N: 20.475,129 18.725,130.75 18.725,136.2 18.05,136.875 9,136.875 8.45,136.325 8.45,110.175 9.225,109.4 14.375,109.4 15.1,110.125 15.1,121.05 15.8,121.75 17.9,121.75 18.6,121.05 18.6,109 18.95,108.65 20.2,108.65 20.475,108.925 20.475,115.857 21.763,117.175 31.925,117.175 32.5,117.75 32.5,128.425 31.926,128.999
  region net SNS2P: 33.15,105.475 31.675,106.95 31.675,112.425 30.7,113.4 22.475,113.4 21.569,112.494 21.569,97.78 23.525,95.825 39.25,95.825 39.9,96.475 39.9,104.65 39.074,105.475
  region net +48V: 15.3,27.175 16.04,27.915 21.559,27.915 22.05,27.425 22.05,15.557 22.788,14.868 34.858,14.868 35.593,14.133 35.594,1.869 34.481,0.757 16.042,0.758 15.3,1.5
  region net SW: 14.724,63.876 14.925,63.675 16.975,63.675 17.3,63.35 17.3,62.125 17,61.825 14.867,61.825 14.724,61.696 14.724,57.776 15.05,57.45 22.7,57.45 22.7,91.325 20.075,93.95 6.7,93.95 5.2,92.45 5.2,84.675 6.5,83.375 15.45,83.375 17.4,81.425 17.38,74.273 17.013,73.906 14.856,73.906 14.724,73.774 14.724,69.601 14.844,69.481 17.038,69.481 17.363,69.156 17.363,68.206 17.107,67.95 14.8,67.95 14.724,67.874
  region net GND: 23.7,63.65 23.95,63.4 26,63.4 26.325,63.075 26.325,62.25 25.95,61.875 23.825,61.875 23.7,61.75 23.7,57.65 24.05,57.3 30.825,57.3 31.375,57.85 31.375,65.325 31.375,75.95 31.125,76.2 26.45,76.2 26.253,76.003 26.253,74.178 26,73.925 23.875,73.925 23.75,73.8 23.75,69.625 23.919,69.456 26.028,69.456 26.353,69.131 26.353,68.181 26.153,67.981 23.856,67.981 23.7,67.825
  region net SNS1N: 3.55,50.45 4.375,49.625 22.65,49.625 23.1,50.075 23.1,55.8 22.75,56.15 14.55,56.15 13.65,57.188 13.65,75.35 13.35,75.65 4.05,75.65 3.55,75.15
  region net NetD4_A: 25.6,16.975 25.225,17.35 25.225,19.7 24.95,19.975 23.5,19.975 23.15,20.325 23.15,27.45 23.4,27.7 26.975,27.7 27.35,27.325 27.35,24.225 27.7,23.875 29,23.875 29.35,23.525 29.35,17.275 29.05,16.975
  region net NetD11_A: 17.13,148.23 17.475,148.575 17.475,149.675 17.9,150.1 19.95,150.1 20.425,149.625 20.425,148.656 20.836,148.238 27.731,148.252 28.125,148.652 28.125,149.725 28.425,150.025 30.5,150.025 30.85,149.675 30.85,148.575 31.207,148.218 38.318,148.218 38.6,148.5 38.6,149.675 39.025,150.1 40.2,150.1 40.6,150.5 40.6,153.975 40.2,154.375 35,154.375 34.75,154.125 34.75,152.925 34.45,152.625 32.166,152.625 31.748,153.043 31.748,154.312 31.685,154.375 24.226,154.375 23.965,154.114 23.965,152.865 23.722,152.622 22.525,152.622 19.825,152.625 19.6,152.85 19.6,154.025 19.2,154.425 13.65,154.425 13.35,154.125 13.35,152.825 13.05,152.525 11.05,152.525 10.65,152.125 10.65,148.7 11.132,148.218
  region net NetC15_1: 32.65,130.475 34.025,129.1 34.025,111.6 34.65,110.975 41.05,110.975 41.669,111.594 41.625,130.475 41.625,146.7 41.125,147.2 10.975,147.2 10.425,146.65 10.425,138.8 10.924,138.301 18.65,138.3 20,136.949 20,131.8 21.325,130.475
  region net +12V: 8.6,156.024 8.6,177.925 9.427,178.752 42.4,178.749 43.099,178.051 43.1,156.075 42.45,155.425 9.199,155.426
  region net SNS1P: 15.4,45 15.4,40.7 14.725,40.025 8.725,40.025 7.95,39.25 7.95,9.875 8.525,9.3 13.45,9.3 14.3,10.15 14.3,27.725 15.6,29.025 23.75,29.025 24.375,29.65 24.375,44.725 23.6,45.5 15.9,45.5
  region net NetC7_1: 26.35,29.95 27.411,28.889 29.507,28.918 30.375,28.05 30.375,17.175 30.375,16.825 30.85,16.35 35.45,16.35 37.025,14.775 37.025,7.3 37.425,6.9 43.675,6.9 44.2,7.425 44.2,40.025 43.325,40.9 27.575,40.9 26.35,39.675
  region net GND: 45.275,40.9 51.9,40.9 52.55,40.25 52.55,17.343 54.069,15.925 69.199,15.925 70.4,14.725 70.4,1.625 69.356,0.581 46.528,0.583 45.275,1.837
Mid-Layer 1:
  region net +12V: 8.6,156.024 8.6,177.925 9.427,178.752 42.4,178.749 43.099,178.051 43.1,156.075 42.45,155.425 9.199,155.426
  region net NetD11_A: 17.13,148.23 17.475,148.575 17.475,149.675 17.9,150.1 19.95,150.1 20.425,149.625 20.425,148.656 20.836,148.238 27.731,148.252 28.125,148.652 28.125,149.725 28.425,150.025 30.5,150.025 30.85,149.675 30.85,148.575 31.207,148.218 38.318,148.218 38.6,148.5 38.6,149.675 39.025,150.1 40.2,150.1 40.6,150.5 40.6,153.975 40.2,154.375 35,154.375 34.75,154.125 34.75,152.925 34.45,152.625 32.166,152.625 31.748,153.043 31.748,154.312 31.685,154.375 24.226,154.375 23.965,154.114 23.965,152.865 23.722,152.622 22.525,152.622 19.825,152.625 19.6,152.85 19.6,154.025 19.2,154.425 13.65,154.425 13.35,154.125 13.35,152.825 13.05,152.525 11.05,152.525 10.65,152.125 10.65,148.7 11.132,148.218
  region net NetC15_1: 32.65,130.475 34.025,129.1 34.025,111.6 34.65,110.975 41.05,110.975 41.669,111.594 41.625,130.475 41.625,146.7 41.125,147.2 10.975,147.2 10.425,146.65 10.425,138.8 10.924,138.301 18.65,138.3 20,136.949 20,131.8 21.325,130.475
  region net SNS2N: 31.925,117.175 19.105,117.175 18.6,117.7 18.6,121.05 17.9,121.75 15.8,121.75 15.1,121.05 15.1,110.125 14.375,109.4 9.225,109.4 8.45,110.175 8.45,136.325 9,136.875 18.05,136.875 18.725,136.2 18.725,130.75 20.475,129 31.926,128.999 32.5,128.425 32.5,117.75
  region net SNS2P: 33.15,105.475 31.675,106.95 31.675,112.425 30.7,113.4 22.475,113.4 21.569,112.494 21.569,97.78 23.525,95.825 39.25,95.825 39.9,96.475 39.9,104.65 39.074,105.475
  region net SW: 14.724,63.876 14.925,63.675 16.975,63.675 17.3,63.35 17.3,62.125 17,61.825 14.867,61.825 14.724,61.696 14.724,57.776 15.05,57.45 22.7,57.45 22.7,91.3 20.05,93.95 6.7,93.95 5.2,92.45 5.2,84.675 6.5,83.375 15.45,83.375 17.4,81.425 17.38,74.273 17.013,73.906 14.856,73.906 14.724,73.774 14.724,69.601 14.844,69.481 17.038,69.481 17.363,69.156 17.363,68.206 17.107,67.95 14.8,67.95 14.724,67.874
  region net SNS1N: 3.55,50.45 4.375,49.625 22.65,49.625 23.1,50.075 23.1,55.8 22.75,56.15 14.55,56.15 13.65,57.188 13.65,75.35 13.35,75.65 4.05,75.65 3.55,75.15
  region net SNS1P: 15.4,44.975 15.4,40.7 14.725,40.025 8.725,40.025 7.95,39.25 7.95,9.875 8.525,9.3 13.45,9.3 14.3,10.15 14.3,27.725 15.6,29.025 23.75,29.025 24.375,29.65 24.375,44.725 23.6,45.5 15.925,45.5
  region net NetC7_1: 26.35,29.95 27.411,28.889 29.507,28.918 30.375,28.05 30.375,17.175 30.375,16.825 30.85,16.35 35.45,16.35 37.025,14.775 37.025,7.3 37.425,6.9 43.675,6.9 44.2,7.425 44.2,40.025 43.325,40.9 27.575,40.9 26.35,39.675
  region net NetD4_A: 25.6,16.975 25.225,17.35 25.225,19.7 24.95,19.975 23.5,19.975 23.15,20.325 23.15,27.575 23.275,27.7 26.975,27.7 27.35,27.325 27.35,24.225 27.7,23.875 29,23.875 29.35,23.525 29.35,17.275 29.05,16.975
  region net +48V: 15.3,27.175 16.04,27.915 21.56,27.915 22.05,27.425 22.05,15.557 22.788,14.868 34.858,14.868 35.593,14.133 35.594,1.869 34.481,0.756 16.042,0.758 15.3,1.5
Bottom Layer:
  region net +12V: 8.6,156.024 8.6,177.925 9.427,178.752 42.4,178.749 43.099,178.051 43.1,156.075 42.45,155.425 9.199,155.426
  region net NetD11_A: 17.13,148.23 17.475,148.575 17.475,149.675 17.9,150.1 19.95,150.1 20.425,149.625 20.425,148.656 20.836,148.238 27.731,148.252 28.125,148.652 28.125,149.725 28.425,150.025 30.5,150.025 30.85,149.675 30.85,148.575 31.207,148.218 38.318,148.218 38.6,148.5 38.6,149.675 39.025,150.1 40.2,150.1 40.6,150.5 40.6,153.975 40.2,154.375 35,154.375 34.75,154.125 34.75,152.925 34.45,152.625 32.166,152.625 31.748,153.043 31.748,154.312 31.685,154.375 24.226,154.375 23.965,154.114 23.965,152.865 23.722,152.622 22.525,152.622 19.825,152.625 19.6,152.85 19.6,154.025 19.2,154.425 13.65,154.425 13.35,154.125 13.35,152.825 13.05,152.525 11.05,152.525 10.65,152.125 10.65,148.7 11.132,148.218
  region net NetC15_1: 32.65,130.475 34.025,129.1 34.025,111.6 34.65,110.975 41.05,110.975 41.669,111.594 41.625,130.475 41.625,146.7 41.125,147.2 10.975,147.2 10.425,146.65 10.425,138.8 10.924,138.301 18.65,138.3 20,136.949 20,131.8 21.325,130.475
  region net SNS2N: 31.925,117.175 19.375,117.175 18.6,117.95 18.6,121.05 17.9,121.75 15.8,121.75 15.1,121.05 15.1,110.125 14.375,109.4 9.225,109.4 8.45,110.175 8.45,136.325 9,136.875 18.05,136.875 18.725,136.2 18.725,130.75 20.475,129 31.926,128.999 32.5,128.425 32.5,117.75
  region net SNS2P: 33.15,105.475 31.675,106.95 31.675,112.425 30.7,113.4 22.475,113.4 21.569,112.494 21.569,97.805 23.55,95.825 39.25,95.825 39.9,96.475 39.9,104.65 39.074,105.475
  region net SW: 14.724,63.876 14.925,63.675 16.975,63.675 17.3,63.35 17.3,62.125 17,61.825 14.867,61.825 14.724,61.696 14.724,57.776 15.05,57.45 22.7,57.45 22.7,91.325 20.075,93.95 6.7,93.95 5.2,92.45 5.2,84.675 6.5,83.375 15.45,83.375 17.4,81.425 17.38,74.273 17.013,73.906 14.856,73.906 14.724,73.774 14.724,69.601 14.844,69.481 17.038,69.481 17.363,69.156 17.363,68.206 17.107,67.95 14.8,67.95 14.724,67.874
  region net SNS1N: 3.55,50.45 4.375,49.625 22.65,49.625 23.1,50.075 23.1,55.8 22.75,56.15 14.55,56.15 13.65,57.188 13.65,75.35 13.35,75.65 4.05,75.65 3.55,75.15
  region net SNS1P: 15.4,45 15.4,40.7 14.725,40.025 8.725,40.025 7.95,39.25 7.95,9.875 8.525,9.3 13.45,9.3 14.3,10.15 14.3,27.725 15.6,29.025 23.75,29.025 24.375,29.65 24.375,44.725 23.6,45.5 15.9,45.5
  region net NetC7_1: 26.35,29.95 27.411,28.889 29.507,28.918 30.375,28.05 30.375,16.825 30.85,16.35 35.45,16.35 37.025,14.775 37.025,7.3 37.425,6.9 43.675,6.9 44.2,7.425 44.2,40.025 43.325,40.9 27.575,40.9 26.35,39.675
  region net NetD4_A: 25.6,16.975 25.225,17.35 25.225,19.7 24.95,19.975 23.5,19.975 23.15,20.325 23.15,27.575 23.275,27.7 26.975,27.7 27.35,27.325 27.35,24.225 27.7,23.875 29,23.875 29.35,23.525 29.35,17.275 29.05,16.975
  region net +48V: 15.3,27.175 16.04,27.915 21.559,27.915 22.05,27.425 22.05,15.557 22.788,14.868 34.858,14.868 35.593,14.133 35.594,1.869 34.481,0.757 16.042,0.758 15.3,1.5

## Silkscreen, mask and mechanical layers (free items; w line width, h text height)
Top Overlay:
  drawing of 1288 lines, arcs and shapes, not listed
  text "GND" at 55.3,177.9 h3
  text "VOUT" at 21.825,177.85 h3
  text "EMDO601_Patch" at 75.425,138.35 h2 r90
  text "info@swissembedded.com" at 78.8,138.35 h2 r90
  text "(C) 2023 swissEmbedded GmbH" at 77.05,138.325 h2 r90
  text "VIN" at 22.75,0.2 h3
  text "GND" at 55.45,0.175 h3

## Dimensions
0,180 to 0,0 on Top Overlay
0,0 to 80,0 on Top Overlay